# KiCad board nuevo5.kicad_pcb (continued)
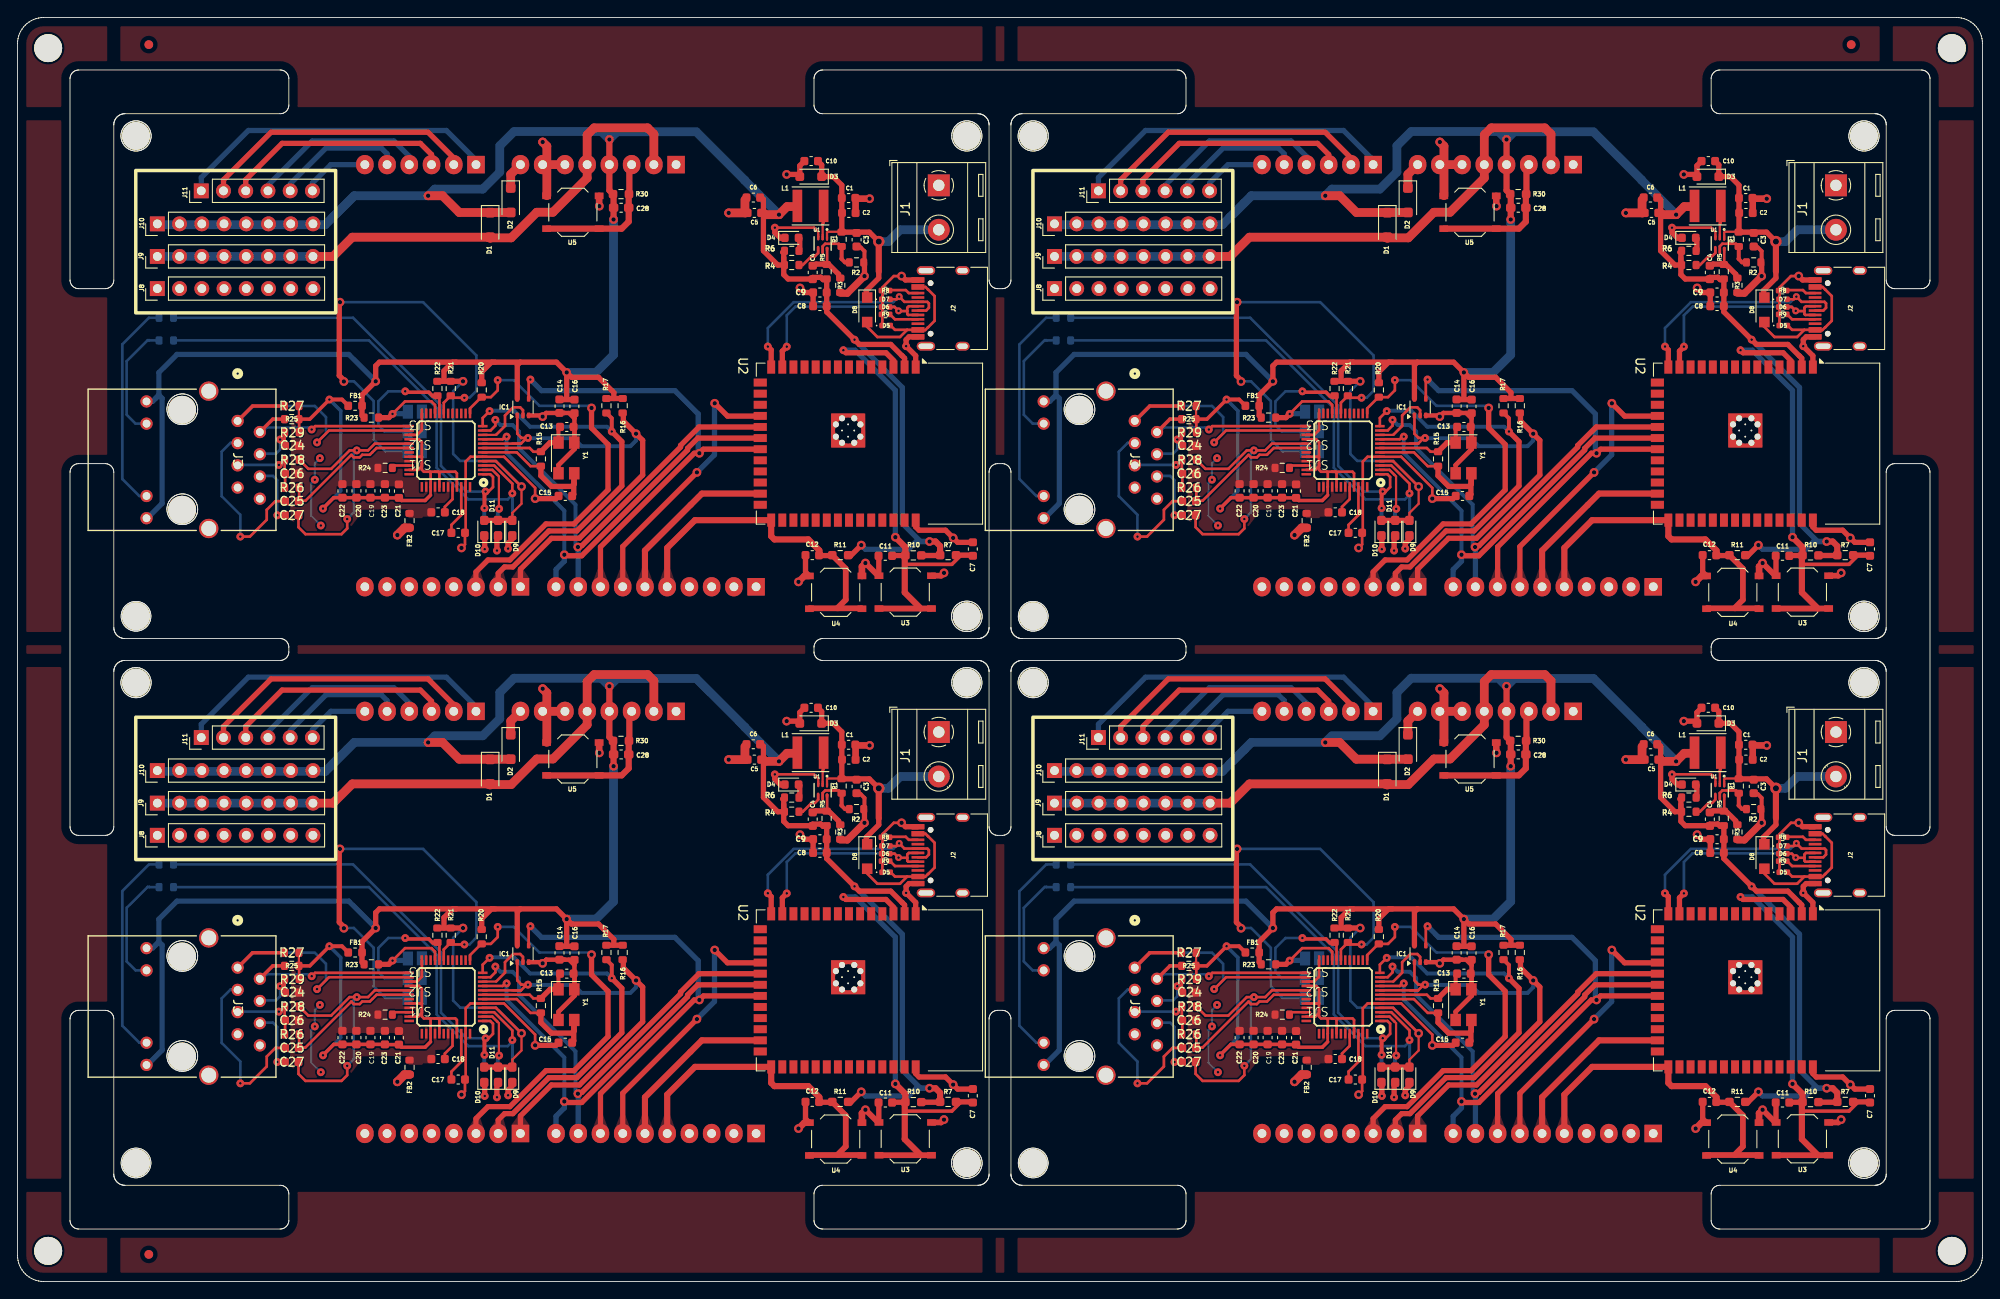
[diagram p0: board, top side]
## Routing (per net, layer and track width the routed paths; a pad name or vN(x,y) marks a point on that pad's centre or on a via; arc(x,y) is an arc through that point) (continued)
  Bottom w0.45: v2(160.82,33.93) 160.84,33.91 166.02,33.91 166.94,32.99 172.53,32.99 173.17,33.64 v1(173.17,34.42)
Board_3-/Ethernet/DUPLED: length 6.8
  Top w0.25: 157.5,26.21 157.5,29.53 157.32,29.71 157.32,29.71
  Top w0.3: 157.32,29.71 156.75,30.28 U$1#3.26
  Bottom w0.25: 157.37,25.68 v2(157.52,25.83)
  Bottom w0.45: R14#4.2 157.37,25.68
Board_3-/Ethernet/GREENLED: length 24.8
  Bottom w0.3: R19#4.1 117.52,47.67 114.47,44.63 114.47,29.24 116.41,27.3 J3#4.11
  Bottom w0.6: J3#4.11 116.98,27.56
Board_3-/Ethernet/INTN: length 45.9
  Top w0.3: v2(156.43,37) 155.65,36.22 U$1#3.36
  Top w0.45: v2(170.39,34.67) 170.39,36.18 R17#2.1
  Top w0.6: v2(170.39,34.67) 171.54,33.52 171.54,28.44 166.4,23.3 163.21,23.3 159.09,19.19 158.14,19.19 157.42,18.47 J7#4.2
  Bottom w0.45: v2(170.39,34.67) 169.85,35.21 161.07,35.21 159.22,37.06 156.49,37.06 v2(156.43,37)
Board_3-/Ethernet/LINKLED: length 54.8
  Top w0.25: 155.85,27.68 v2(155.97,27.81)
  Top w0.3: U$1#3.25 156.51,29.78 156.82,29.47 156.82,28.31 156.32,27.81 v2(155.97,27.81)
  Top w0.45: v2(155.85,25.91) 155.85,27.68
  Bottom w0.25: 155.82,25.88 v2(155.85,25.91)
  Bottom w0.3: R19#4.2 140.83,47.67 150.89,37.62 150.89,30.74 153.81,27.81 v2(155.97,27.81)
  Bottom w0.45: R13#4.2 155.82,25.88
Board_3-/Ethernet/MISO: length 7.3
  Top w0.25: U$1#3.34 157.17,34.28 157.22,34.33
  Top w0.3: 157.22,34.33 158.19,35.3 158.19,36.5 159.12,37.43 159.92,37.43 160.25,37.11 IC1#2.2
Board_3-/Ethernet/MOSI: length 52.9
  Top w0.3: v2(157.09,36) 157.09,35.34 156.54,34.78 U$1#3.35
  Top w0.6: U2#4.19 180.36,35.19 178.25,33.08 178.25,32.89 166.98,21.61 166.67,21.61 v1(166.52,21.47)
  Bottom w0.25: 166.57,21.42 v1(166.52,21.47)
  Bottom w0.45: v1(166.52,21.47) 166.25,21.47 166.25,26.31 159.79,32.77 159.79,34.68 159.07,35.41 157.69,35.41 v2(157.09,36)
  Bottom w0.6: J6#2.9 166.57,21.42
Board_3-/Ethernet/RESET: length 49
  Top w0.3: v2(157.36,40.54) 157.36,39.38 156.58,38.59 155.49,38.59 154.2,37.31 U$1#3.37
  Top w0.6: v1(168.08,37.36) 168.08,35.07 169.97,33.19 169.97,28 166.07,24.1 162.88,24.1 158.76,19.99 156.25,19.99 154.88,18.62 J7#4.3 155.26,16.92
  Bottom w0.3: v1(168.08,37.36) 167.84,37.61 162.12,37.61 159.19,40.54 v2(157.36,40.54)
Board_3-/Ethernet/RX+: length 16.8
  Top w0.3: U$1#3.6 143.53,32.78 142.76,32.01 141.89,32.01 141.59,31.71 140.93,31.71 140.64,32 135.39,26.75 134.68,26.75 R26.2
Board_3-/Ethernet/RX-: length 31.1
  Top w0.3: U$1#3.5 143.32,33.28 142.55,32.51 v2(141.26,32.51) 140.44,32.51 138.34,30.4 135.72,30.4 R28#4.2 ; C27.2 134.6,23.73 135.4,22.94 139.51,22.94 140.17,23.59 v2(140.17,24.66)
  Bottom w0.3: v2(140.17,24.66) 140.9,25.4 140.9,32.16 v2(141.26,32.51)
Board_3-/Ethernet/SCK: length 51.3
  Top w0.3: U$1#3.33 157.92,33.78 158.22,34.08 v2(158.38,34.08)
  Top w0.6: U2#4.20 180.23,33.92 179.05,32.75 179.05,32.56 166.96,20.46 165.09,20.46 v1(164.97,20.58) ; 163.97,16.97 J6#2.10
  Bottom w0.45: v1(164.97,20.58) 164.97,25.61 158.38,32.21 v2(158.38,34.08)
  Bottom w0.6: J6#2.10 164.03,18.89 164.97,19.84 v1(164.97,20.58)
Board_3-/Ethernet/TX+: length 32.2
  Top w0.3: 132.84,37.58 133,37.42 133,37.6 ; U$1#3.2 138.08,34.78 v2(136.72,33.43)
  Top w0.4: R27#4.1 129.35,37.58 J3#4.1
  Bottom w0.3: J3#4.1 127.77,35.88 129.47,37.58 136.47,37.58 137.74,36.32 137.74,34.45 v2(136.72,33.43)
Board_3-/Ethernet/TX-: length 21.6
  Top w0.3: 133.02,36.08 133.03,36.08 ; J3#4.2 130.47,34.89 ; v2(136.11,34.9) 136.5,35.28 U$1#3.1
  Top w0.4: J3#4.2 131.66,36.08 R25#3.1
  Bottom w0.254: 130.24,34.61 130.21,34.58
  Bottom w0.3: 136.17,34.66 135.7,35.13 130.97,35.13 130.5,34.66 ; 130.23,34.67 130.45,34.9
Board_3-/Ethernet/YELLOWLED: length 13.5
  Bottom w0.3: J3#4.10 115.99,35.57 114.97,36.59 114.97,42.71 117.37,45.11 117.54,45.11 117.57,45.08 R18#3.1
Board_3-/MCU-WiFi/CHIP_PU: length 57.8
  Top w0.25: 203.92,19.48 203.87,19.53 203.87,20.44 R10#3.1
  Top w0.4: 203.92,19.48 209.25,19.48 210.27,20.51 210.27,20.53
  Top w0.6: C7#4.1 211.57,20.53 R7#4.1 209.64,20.53 ; v2(196.85,43.96) 197.14,43.67 201.72,43.67 202.64,42.75 ; 202.35,20.49 203.92,20.49 R10#3.1
  Top w0.65: U3#4.2 U3#4.2
  Top w0.7: R10#3.1 203.94,21.45 v1(202.79,22.59) ; 205.7,14.43 203.87,16.27 203.87,20.49
  Bottom w0.6: v1(202.79,22.59) 202.79,39.37 198.2,43.96 v2(196.85,43.96)
Board_3-/MCU-WiFi/D+: length 28.1
  Top w0.3: 202.02,49.78 202.93,49.78 v3(203.24,50.09) 203.83,49.49 J2.B6 206.45,49.49 206.62,49.32 206.62,48.81 206.31,48.49 J2.A6
  Top w0.6: U2#4.14 188.61,44 v2(188.22,44.38)
  Bottom w0.3: 203.21,50.11 202.55,49.45 191.18,49.45 188.22,46.5 v2(188.22,44.38)
  Bottom w0.6: v3(203.24,50.09) 203.21,50.11
Board_3-/MCU-WiFi/D-: length 25.2
  Top w0.3: 201.95,48.85 202,48.9 202.72,48.9 v3(203.16,48.46) 203.18,48.44 204.16,48.44 ; J2.A7 204.33,48.99 204.16,48.82 204.16,48.44 ; 204.16,48.44 204.16,48.09 204.26,47.99 J2.B7
  Top w0.6: U2#4.13 189.88,43.86 v2(190.39,44.37)
  Bottom w0.3: v2(190.39,44.37) 190.39,47.95 191.38,48.95 202.67,48.95 v3(203.16,48.46)
Board_3-/MCU-WiFi/GPIO0: length 41
  Top w0.25: 196.15,14.46 196.27,14.46
  Top w0.6: 195.58,20.49 194.11,20.49
  Top w0.65: U4#2.2 198.92,14.46 193.02,14.46 U4#2.2 ; R11#4.1 197.12,18.99 197.12,15.43 196.15,14.46
  Top w0.7: J6#2.5 176.73,21.36 179.9,24.53 U2#4.27 188.61,22.7 188.97,22.33 192.85,22.33 194.11,21.07 194.11,20.49
Board_3-AGND: length 3.6
  Top w0.3: U$1#3.48 148.7,34.84 148.14,34.28 U$1#3.3
Board_3-AVDD: length 55.8
  Top w0.25: R25#3.2 R27#4.2 ; 135.88,36.08 135.88,36.08
  Top w0.3: 134.68,37.58 134.65,37.6 ; 148.7,31.77 148.52,31.77 148.51,31.78 U$1#3.8 ; 148.7,31.77 148.7,31 ; 148.7,31.77 148.7,33.46 148.38,33.78 U$1#3.4 ; 144.5,27.08 C23#4.1 ; 148.7,31 148.7,30.71 148.27,30.28 U$1#3.11 ; 148.7,31 148.7,30.3 148.92,30.07 149.6,30.07 ; U$1#3.17 150.7,29.92 150.55,30.07 150.17,30.07 ; 150.17,30.07 152.52,30.07 152.7,29.9 U$1#3.21 ; 150.17,30.07 149.6,30.07 ; 149.6,30.07 149.7,29.97 U$1#3.15 149.69,28.33 149.69,27.4 ; 134.68,34.53 134.68,36.08
  Top w0.4: 149.69,27.4 149.07,26.78 146.37,26.78 C21#4.1 144.5,27.08 ; C23#4.1 C19#2.1 C20.1 C22#2.1 138.63,27.11 137.4,25.87 v2(137.4,25.86) ; 135.88,36.08 R25#3.2 ; v2(138.14,38.33) 135.88,36.08
  Top w0.45: v2(138.14,38.33) 139.57,38.33 FB1.2
  Bottom w0.4: v2(137.4,25.86) 139.43,27.89 139.43,37.03 v2(138.14,38.33)
Board_3-GND: length 127.9
  Top w0.25: 193.79,57.68 193.98,57.48 193.98,56.92 U1#3.3 193.99,56.63 ; 198.3,61.28 C1.2 198.25,61.33 ; 166.13,35.24 166.09,35.2 166.1,35.19 ; U3#4.1 200.9,18.2 ; 166.1,36.79 C16#4.2
  Top w0.3: 201.3,49.25 201.3,50.16 201.33,50.19 201.33,51.15 202.61,52.44 v1(203.5,52.44) ; 201.29,46.78 201.3,46.79 201.3,47.35 ; v2(189.02,57.97) 193.5,57.97 193.79,57.68 ; 201.31,47.44 201.31,49.17 201.26,49.21 ; v1(153.22,21.36) 153.62,21.76 C17#4.2 153.7,23.16 U$1#3.23 153.7,31.23 154.25,31.78 U$1#3.29 158.08,31.78 161.64,28.23 v1(161.64,27) 161.84,26.8
  Top w0.45: 198.37,55.73 198.82,55.73 199.27,55.28 199.27,54
  Top w0.5: 162.91,36.79 162.63,36.51 IC1#2.3 ; 162.91,36.79 164.99,36.79 ; 162.91,36.79 v1(162.49,36.37) ; 166.1,33.4 166.13,33.37 166.13,32.66 ; 166.09,35.2 166.13,35.16 166.13,32.66 ; 164.3,30.83 166.13,32.66 ; 164.3,30.83 164.3,29.9 ; 164.3,30.83 166.13,32.66 166.13,36.17 ; 164.99,36.79 165.5,36.79 166.13,36.17 ; 164.99,36.79 C14#2.2 ; 166.13,36.17 C16#4.2
  Top w0.6: 190.08,56.78 189.66,56.78 189.02,57.42 v2(189.02,57.97) ; 200.9,18.2 200.9,20.51 ; U2#4.1 205.12,43.33 v2(204.02,44.42) 204.02,45.16 204.36,45.49 J2.A1 ; U2#4.40 205.12,23.76 205.5,23.38 208.52,23.38 v1(209.4,22.51) 209.91,22 211.63,22 C7#4.2 ; v1(161.64,27) 164.01,27 C15#2.2 ; v1(190.37,64.06) 191.62,64.06 D3.2 191.87,65.06 C10#4.2 ; C8.2 C9#3.2 192.42,50.56 v1(191.9,51.08) ; J2.A12 203.95,51.99 v1(203.5,52.44) ; C12#3.2 192.53,18.61 192.92,18.21 ; v1(199.27,52.43) 199.27,54
  Top w0.65: 200.9,18.2 200.8,18.2 v1(199.37,19.63) ; U3#4.1 208.02,18.18 v1(208.35,18.51)
  Top w0.75: U4#2.1 198.97,19.23 v1(199.37,19.63) ; v1(191.72,17.48) 192.4,18.16 U4#2.1 ; U5#3.2 168.95,60.46 v1(168.97,60.43) ; C2.2 198.25,61.33 ; v1(199.85,61.28) 198.3,61.28
  Top w0.8: v1(199.27,52.43) 197.3,50.47 196.5,50.47
  Top w1: J4#4.6 J4#4.7 ; FB2#3.1 146.72,23.66 v1(145.9,22.83) ; 162.97,61.63 162.97,67.29 v1(162.5,67.77) ; v1(183.75,59.66) 185.65,59.66 185.61,59.7 185.61,61.16
  Top w1.2: 207.43,62.91 207.7,62.91
  Bottom w0.25: v2(137.05,31.62) 136.47,31.04 v2(136.47,29.16) 136.06,28.75 136.06,25.02 v2(137.15,23.93)
  vias: v4(197.4,34.78)
Board_3-Net-(D4-A): length 1.5
  Top w0.6: 191.87,55.32 191.87,56.75 191.83,56.78
Board_3-Net-(D5-A2): length 17
  Top w0.3: J2.A9 206.23,51.19 206.52,50.91 206.52,50.91 207.28,50.15 207.28,47.32 206.53,46.58 206.52,46.58 206.2,46.26 205.4,46.26 J2.A4 204.14,46.29 ; 204.14,46.29 203.32,45.47 200.74,45.47 199.5,46.71 199.5,47.27 199.43,47.19 ; 204.14,46.29 202.75,46.29 202.26,46.78
Board_3-Net-(D9-K): length 1.7
  Top w0.25: 159.03,22.36 D9.1
  Top w0.6: 159.03,22.36 158.55,21.88 v2(158.55,21.28)
  Bottom w0.25: 158.55,21.36 v2(158.55,21.28)
Board_3-Net-(D10-K): length 1.8
  Top w0.25: 155.87,22.71 D10#2.1
  Top w0.6: 155.87,22.71 v2(155.87,21.21) 155.8,21.29
  Bottom w0.6: v2(155.87,21.21) 155.8,21.29
Board_3-Net-(D11-K): length 1.8
  Top w0.25: 157.27,22.63 D11#4.1
  Top w0.6: v2(157.27,21.06) 157.27,22.63
Board_3-Net-(J2-CC1): length 3.4
  Top w0.3: J2.A5 202.75,47.49 R9#4.1
Board_3-Net-(J2-CC2): length 3.3
  Top w0.3: J2.B5 204.33,50.49 203.98,50.84 202.26,50.84 202.23,50.81
Board_3-Net-(J3-RCT): length 8.8
  Top w0.3: v2(132.36,30.85) 132.42,30.85 R28#4.1 133.03,29.9 C26.1 133.08,28.3 R26.1
  Bottom w0.3: v2(132.36,30.85) 127.69,30.85
Board_3-Net-(J3-RD+): length 20.3
  Top w0.3: v2(127.96,22.66) 129.05,22.66 130.97,24.58 130.97,25.72 131.96,26.7 C25#4.1
  Bottom w0.3: 127.69,33.39 126.86,33.39 125.82,32.36 125.82,27.28 127.96,25.15 v2(127.96,22.66)
Board_3-Net-(J3-RD-): length 7
  Top w0.3: C27.1 133.04,25.09 v2(132.19,25.09)
  Bottom w0.3: v2(132.19,25.09) 132.17,25.11 132.17,29.11 131.69,29.59 130.23,29.59
Board_3-Net-(J3-TCT): length 6.2
  Top w0.3: 133.03,34.53 133.03,33.03 133.08,32.98 132.5,33.55 v2(132.5,33.76)
  Bottom w0.3: v2(132.5,33.76) 132.5,32.61 132.02,32.13 130.23,32.13
Board_3-Net-(J11-Pin_1): length 37.1
  Bottom w0.45: J11#4.1 123.49,62.83
  Bottom w0.6: 123.49,62.83 123.49,63.7 128.87,69.08 151.5,69.08 154.88,65.7 J5#4.1
Board_3-Net-(J11-Pin_2): length 31.8
  Top w0.6: J5#4.2 152.34,65.94 149.4,68.88 131.47,68.88 126.03,63.44 J11#4.2
Board_3-Net-(J11-Pin_3): length 25.9
  Top w0.6: J5#4.3 149.8,66.33 148.52,67.61 132.72,67.61 128.57,63.46 J11#4.3
Board_3-Net-(J11-Pin_4): length 20.6
  Bottom w0.45: J11#4.4 131.11,62.82
  Bottom w0.6: 131.11,62.82 136.17,67.88 145.5,67.88 147.26,66.12 J5#4.4
Board_3-Net-(J11-Pin_5): length 15.1
  Bottom w0.45: J11#4.5 133.65,62.99
  Bottom w0.6: J5#4.5 144.72,66.41 144.05,67.08 137.75,67.08 133.65,62.99
Board_3-Net-(J11-Pin_6): length 7.8
  Bottom w0.6: J11#4.6 136.19,63.08 138.3,65.18 J5#4.6
Board_3-Net-(SJ1-A): length 50.7
  Top w0.3: v1(139.79,40.39) 139.86,40.46 ; U$1#3.43 151.2,37.96 R21#4.2 152.23,38.53 v2(153.55,38.53)
  Top w0.6: v1(139.34,49.45) 139.26,49.38 139.26,41.06 139.86,40.46
  Bottom w0.3: v1(139.34,49.45) 148.84,49.45 154.92,43.36 154.92,39.31 154.14,38.53 v2(153.55,38.53) ; 147.08,32.61 147.3,32.82 ; 139.86,40.41 140.93,40.41 143.19,38.15 143.19,33.76 144.54,32.4 SJ1#2.1
Board_3-Net-(SJ2-A): length 15.9
  Top w0.3: U$1#3.44 150.7,38.53 150.52,38.71
  Top w0.4: 150.52,38.71 149.95,38.71 149.5,39.16 146.9,39.16 v2(146.8,39.26)
  Bottom w0.3: v2(146.8,39.26) 144.86,39.26 143.72,38.12 143.72,35.38 144.42,34.68 SJ2#4.1
Board_3-Net-(SJ3-A): length 10.1
  Top w0.3: U$1#3.45 150.2,37.71 149.8,38.11 146.77,38.11 v2(145.35,36.68)
  Top w0.6: R23.2 144.92,36.26 v2(145.35,36.68)
  Bottom w0.6: 147.12,36.71 145.37,36.71 v2(145.35,36.68)
Board_3-Net-(U1-EN): length 5.9
  Top w0.25: 196.78,55.66 196.85,55.72
  Top w0.3: 196.86,55.69 196.82,55.73 196.65,55.73 R1.1 196.34,56.13 194.78,56.13 194.49,55.84 194.49,55.08
  Top w0.45: 197.44,54 197.04,54 196.63,54.41 196.65,54.43 196.65,55.73
Board_3-Net-(U1-FB): length 5.4
  Top w0.3: U1#3.6 194.99,55.63 194.99,55.63 194.99,53.91 194.94,53.85
  Top w0.6: 196.32,52.47 196.32,52.64 195.1,53.85 194.94,53.85 194.89,53.81 193.74,53.81 193.68,53.75
Board_3-Net-(U1-PG): length 3.3
  Top w0.3: 193.97,55.74 193.97,55.07 193.6,54.7 193.21,54.7 192.21,53.7 191.87,53.7
Board_3-Net-(U1-SW): length 5.9
  Top w0.25: 194.49,58.41 194.49,60.27 194.6,60.38 ; 194.49,58.41 194.6,58.52 L1#2.1 ; 194.49,58.41 U1#3.2 194.49,56.65 194.48,56.64
Board_3-Net-(U$1-1V20): length 5.7
  Top w0.3: 152.19,23.11 152.07,23.23 152.07,24 153.2,25.12 U$1#3.22
Board_3-Net-(U$1-EXRES1): length 2
  Top w0.3: U$1#3.10 145.6,30.78 R24.1
Board_3-Net-(U$1-TOCAP): length 3.3
  Top w0.3: U$1#3.20 152.2,26.93 151.32,26.06 C18#3.1
Board_3-Net-(U$1-XI/CLKIN): length 16.9
  Top w0.3: U$1#3.30 159.54,32.28 161.12,30.71 R15.2 ; 165.87,29.66 166.1,29.9
  Top w0.6: 166.1,29.9 166.1,28.66 165.83,28.39 163.51,28.39 162.29,29.61 R15.2 ; C15#2.1 166.05,27.49 166.05,29.48 165.87,29.66
Board_3-Net-(U$1-XO): length 11.3
  Top w0.3: U$1#3.31 161.01,32.78 161.44,32.36 R15.1
  Top w0.45: Y1#4.1 164.3,34.97 164.54,35.2
  Top w0.6: R15.1 163.33,33.4 Y1#4.1 ; 164.18,33.46 164.26,33.37
Board_3-unconnected-(J3-NC-Pad7): length 0.4
  Bottom w0.3: 127.42,27.98 127.67,28.23
Board_3-VBAT: length 32.5
  Top w0.25: 194.99,56.61 194.99,57.41 195.08,57.5 196.84,57.5 196.86,57.52 ; U1#3.1 194.99,56.73
  Top w0.6: 199.5,50.07 199.48,50.09 199.48,50.79 200.9,52.21 200.9,52.97 ; 196.67,61.56 196.67,57.7 196.92,57.46 199.83,57.46 v5(200.9,56.38) 200.89,56.37 200.89,55.91 ; C10#4.1 194.37,65.16 D3.1 195.7,63.81 196.67,62.83 C1.1
  Top w0.7: 200.9,52.97 v5(200.9,56.38)
  Bottom w1: v5(200.9,56.38) 202,56.38 203.35,57.73 J1.2
Board_3-VIN: length 3.1
  Top w1: J4#4.8 158.85,64.07 D2#4.1

## Copper pours and planes (outline as drawn; the poured copper is in the pictures)
(no net) on Top: 192.5,72 192.5,72.5 192.56,73 134.44,73 134.5,72.5 134.5,72 134.44,71.5 192.56,71.5
(no net) on Top: 112,32 112.5,32 113,31.94 113,50.06 112.5,50 112,50 111.5,50.06 111.5,31.94
(no net) on Top: 90,72 90,72.5 90.06,73 31.94,73 32,72.5 32,72 31.94,71.5 90.06,71.5
(no net) on Top: 1,141.48 1,3.02 1.01,2.8 1.04,2.61 1.09,2.42 1.15,2.24 1.24,2.06 1.34,1.89 1.45,1.73 1.59,1.59 1.73,1.45 1.89,1.34 2.06,1.24 2.24,1.15 2.42,1.09 2.61,1.04 2.8,1.01 3.02,1 221.48,1 221.7,1.01 221.89,1.04 222.08,1.09 222.26,1.15 222.44,1.24 222.61,1.34 222.77,1.45 222.91,1.59 223.04,1.73 223.16,1.89 223.26,2.06 223.35,2.24 223.41,2.42 223.46,2.61 223.49,2.8 223.5,3.02 223.5,141.48 223.49,141.7 223.46,141.89 223.41,142.08 223.35,142.26 223.26,142.44 223.16,142.61 223.04,142.77 222.91,142.91 222.77,143.04 222.61,143.16 222.44,143.26 222.26,143.35 222.08,143.41 221.89,143.46 221.7,143.49 221.48,143.5 3.02,143.5 2.8,143.49 2.61,143.46 2.42,143.41 2.24,143.35 2.06,143.26 1.89,143.16 1.73,143.04 1.59,142.91 1.45,142.77 1.34,142.61 1.24,142.44 1.15,142.26 1.09,142.08 1.04,141.89 1.01,141.7 ; 1 cut-out
(no net) on Top: 112,94.5 112.5,94.5 113,94.44 113,112.56 112.5,112.5 112,112.5 111.5,112.56 111.5,94.44
(no net) on Bottom: 112,94.5 112.5,94.5 113,94.44 113,112.56 112.5,112.5 112,112.5 111.5,112.56 111.5,94.44
(no net) on Bottom: 1,141.48 1,3.02 1.01,2.8 1.04,2.61 1.09,2.42 1.15,2.24 1.24,2.06 1.34,1.89 1.45,1.73 1.59,1.59 1.73,1.45 1.89,1.34 2.06,1.24 2.24,1.15 2.42,1.09 2.61,1.04 2.8,1.01 3.02,1 221.48,1 221.7,1.01 221.89,1.04 222.08,1.09 222.26,1.15 222.44,1.24 222.61,1.34 222.77,1.45 222.91,1.59 223.04,1.73 223.16,1.89 223.26,2.06 223.35,2.24 223.41,2.42 223.46,2.61 223.49,2.8 223.5,3.02 223.5,141.48 223.49,141.7 223.46,141.89 223.41,142.08 223.35,142.26 223.26,142.44 223.16,142.61 223.04,142.77 222.91,142.91 222.77,143.04 222.61,143.16 222.44,143.26 222.26,143.35 222.08,143.41 221.89,143.46 221.7,143.49 221.48,143.5 3.02,143.5 2.8,143.49 2.61,143.46 2.42,143.41 2.24,143.35 2.06,143.26 1.89,143.16 1.73,143.04 1.59,142.91 1.45,142.77 1.34,142.61 1.24,142.44 1.15,142.26 1.09,142.08 1.04,141.89 1.01,141.7 ; 1 cut-out
(no net) on Bottom: 90,72 90,72.5 90.06,73 31.94,73 32,72.5 32,72 31.94,71.5 90.06,71.5
(no net) on Bottom: 192.5,72 192.5,72.5 192.56,73 134.44,73 134.5,72.5 134.5,72 134.44,71.5 192.56,71.5
(no net) on Bottom: 112,32 112.5,32 113,31.94 113,50.06 112.5,50 112,50 111.5,50.06 111.5,31.94
Board_0-AGND on Top: 49.85,91.58 49.95,91.43 49.97,88.99 48.75,89.01 47.73,88.97 47.73,87.49 47.22,87.44 46.36,87.44 46.21,87.26 44.68,87.26 44.61,87.65 44.61,88.28 43.85,88.28 42.55,88.28 39.35,88.23 39.29,87.85 37.72,85.77 36.83,85.51 35.05,85.54 33.88,85.44 33.38,85.46 31.13,87.13 31.3,98.31 32.21,99.94 32.21,100.93 32.5,101.18 32.8,100.83 33.05,100.28 33.15,99.53 33.4,99.18 33.5,99.13 33.7,99.08 33.95,99.03 34.25,99.03 34.95,98.98 35.8,98.98 36.45,98.73 36.85,98.58 37.72,98.16 38.5,97.93 39.5,97.98 41.05,97.98 41.9,98.03 42.5,98.08 43.05,98.23 43.83,98.49 44.18,98.19 44.51,98.11 45.07,98.08 45.32,97.98 45.37,97.7 45.34,97.14 45.75,96.46 45.77,95.29 45.47,92.12 45.68,91.86 45.85,91.61 47.17,91.58 47.05,90.06 46.51,89.52 45.95,89.5 45.22,89.47 43.9,89.52 43.95,90.9 36.46,90.92 36.38,89.6 42.96,89.6 43.87,89.14 45.88,89.14 46.74,89.25 47.3,90.19 47.38,91.58
Board_0-GND on Top: 92.94,99.24 92.94,95.38 96.9,95.38 96.84,99.22
Board_0-GND on Bottom: 110.17,133.41 110.77,133.01 111.05,132.11 110.95,130.71 111.01,105.29 103.75,105.32 103.76,86.47 110.98,86.47 111,85.42 111.01,79.65 111.04,74.51 110.72,73.91 109.82,73.48 107.67,73.48 11.92,73.51 11.42,73.76 10.97,74.48 10.97,75.33 11,78.93 11,132.41 11.17,132.93 11.62,133.21 11.8,133.46 12.22,133.53 12.67,133.48 109.97,133.48 110.2,133.41
Board_1-AGND on Top: 152.35,91.58 152.45,91.43 152.47,88.99 151.25,89.01 150.23,88.97 150.23,87.49 149.72,87.44 148.86,87.44 148.71,87.26 147.18,87.26 147.11,87.65 147.11,88.28 146.35,88.28 145.05,88.28 141.85,88.23 141.79,87.85 140.22,85.77 139.33,85.51 137.55,85.54 136.38,85.44 135.87,85.46 133.62,87.13 133.8,98.31 134.71,99.94 134.71,100.93 135,101.18 135.3,100.83 135.55,100.28 135.65,99.53 135.9,99.18 136,99.13 136.2,99.08 136.45,99.03 136.75,99.03 137.45,98.98 138.3,98.98 138.95,98.73 139.35,98.58 140.38,98.45 141.07,98.37 142.2,98.3 144,98.25 144.57,98.17 145.1,98.25 145.75,98.32 146.33,98.49 146.68,98.19 147.01,98.11 147.57,98.08 147.82,97.98 147.87,97.7 147.84,97.14 148.25,96.46 148.27,95.29 147.97,92.12 148.18,91.86 148.35,91.61 149.67,91.58 149.55,90.06 149.01,89.52 148.45,89.5 147.72,89.47 146.4,89.52 146.45,90.9 138.96,90.92 138.88,89.6 145.46,89.6 146.37,89.14 148.38,89.14 149.24,89.25 149.8,90.19 149.88,91.58
Board_1-GND on Top: 195.44,99.24 195.44,95.38 199.4,95.38 199.34,99.22
Board_1-GND on Bottom: 212.67,133.41 213.27,133.01 213.55,132.11 213.45,130.71 213.5,105.29 206.24,105.32 206.25,86.47 213.47,86.47 213.5,85.42 213.5,79.65 213.53,74.51 213.22,73.91 212.32,73.48 210.17,73.48 114.42,73.51 113.92,73.76 113.47,74.48 113.47,75.33 113.5,78.93 113.5,132.41 113.67,132.93 114.12,133.21 114.3,133.46 114.72,133.53 115.17,133.48 212.47,133.48 212.7,133.41
Board_2-AGND on Top: 49.85,29.08 49.95,28.93 49.97,26.49 48.75,26.51 47.73,26.47 47.73,24.99 47.22,24.94 46.36,24.94 46.21,24.76 44.68,24.76 44.61,25.15 44.61,25.78 43.85,25.78 42.55,25.78 39.35,25.73 39.29,25.35 37.72,23.27 36.83,23.01 35.05,23.04 33.88,22.94 33.38,22.96 31.13,24.63 31.3,35.81 32.21,37.44 32.21,38.43 32.5,38.68 32.8,38.33 33.05,37.78 33.15,37.03 33.4,36.68 33.5,36.63 33.7,36.58 33.95,36.53 34.25,36.53 34.95,36.48 35.8,36.48 36.45,36.23 36.85,36.08 37.72,35.66 38.5,35.43 39.5,35.48 41.05,35.48 41.9,35.53 42.5,35.58 43.05,35.73 43.83,35.99 44.18,35.69 44.51,35.61 45.07,35.58 45.32,35.48 45.37,35.2 45.34,34.64 45.75,33.96 45.77,32.79 45.47,29.62 45.68,29.36 45.85,29.11 47.17,29.08 47.05,27.56 46.51,27.02 45.95,27 45.22,26.97 43.9,27.02 43.95,28.4 36.46,28.42 36.38,27.1 42.96,27.1 43.87,26.64 45.88,26.64 46.74,26.75 47.3,27.69 47.38,29.08
Board_2-GND on Top: 92.94,36.74 92.94,32.88 96.9,32.88 96.84,36.72
Board_2-GND on Bottom: 110.17,70.91 110.77,70.51 111.05,69.61 110.95,68.21 111.01,42.79 103.75,42.82 103.76,23.97 110.98,23.97 111,22.92 111.01,17.15 111.04,12.01 110.72,11.41 109.82,10.98 107.67,10.98 11.92,11.01 11.42,11.26 10.97,11.98 10.97,12.83 11,16.43 11,69.91 11.17,70.43 11.62,70.71 11.8,70.96 12.22,71.03 12.67,70.98 109.97,70.98 110.2,70.91
Board_3-AGND on Top: 152.35,29.08 152.45,28.93 152.47,26.49 151.25,26.51 150.23,26.47 150.23,24.99 149.72,24.94 148.86,24.94 148.71,24.76 147.18,24.76 147.11,25.15 147.11,25.78 146.35,25.78 145.05,25.78 141.85,25.73 141.79,25.35 140.22,23.27 139.33,23.01 137.55,23.04 136.38,22.94 135.87,22.96 133.62,24.63 133.8,35.81 134.71,37.44 134.71,38.43 135,38.68 135.3,38.33 135.55,37.78 135.65,37.03 135.9,36.68 136,36.63 136.2,36.58 136.45,36.53 136.75,36.53 137.45,36.48 138.3,36.48 138.95,36.23 139.35,36.08 140.22,35.66 141,35.43 142,35.48 143.55,35.48 144.4,35.53 145,35.58 145.55,35.73 146.33,35.99 146.68,35.69 147.01,35.61 147.57,35.58 147.82,35.48 147.87,35.2 147.84,34.64 148.25,33.96 148.27,32.79 147.97,29.62 148.18,29.36 148.35,29.11 149.67,29.08 149.55,27.56 149.01,27.02 148.45,27 147.72,26.97 146.4,27.02 146.45,28.4 138.96,28.42 138.88,27.1 145.46,27.1 146.37,26.64 148.38,26.64 149.24,26.75 149.8,27.69 149.88,29.08
Board_3-GND on Top: 195.44,36.74 195.44,32.88 199.4,32.88 199.34,36.72
Board_3-GND on Bottom: 212.67,70.91 213.27,70.51 213.55,69.61 213.45,68.21 213.5,42.79 206.24,42.82 206.25,23.97 213.47,23.97 213.5,22.92 213.5,17.15 213.53,12.01 213.22,11.41 212.32,10.98 210.17,10.98 114.42,11.01 113.92,11.26 113.47,11.98 113.47,12.83 113.5,16.43 113.5,69.91 113.67,70.43 114.12,70.71 114.3,70.96 114.72,71.03 115.17,70.98 212.47,70.98 212.7,70.91

Small or netless copper shapes (teardrops, artwork), in the pictures only: 28 on Top, 8 on Bottom

## Text on the board
User.Drawings: USB | NC | A3 | A2 | A1 | A0 | VIN | GND | 5V | 3V3 | RUN
User.6: V-CUT
